# Altium PCB Copy of DIOT_SMA16_.PcbDoc (part 2 of 6) (continued)
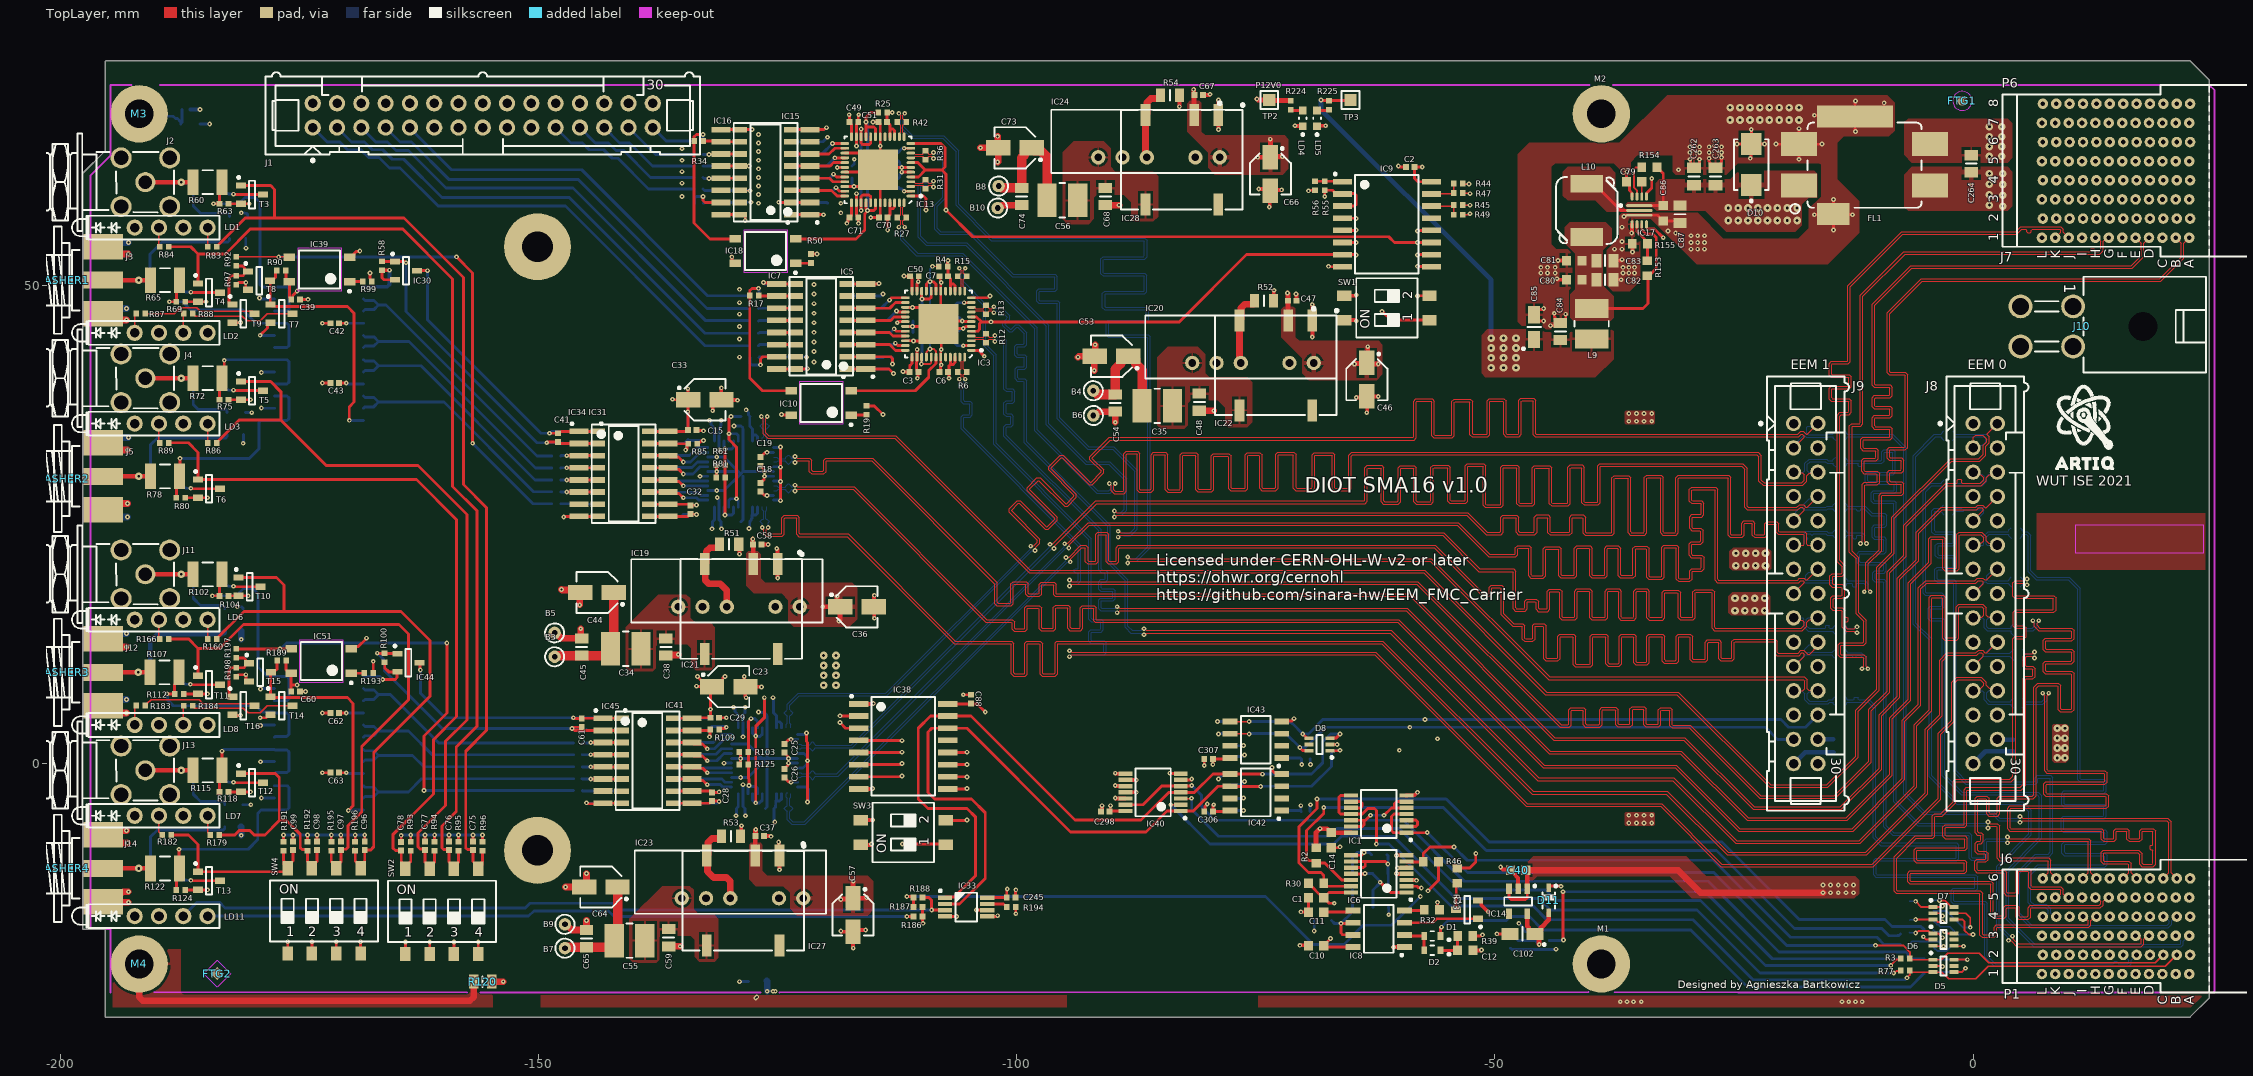
[diagram p0: TopLayer view]
## Part data (continued)
R153: library part R0603_38K3_0.1%_0.063W_10PPM, "Resistor - 0.1%", Case=0603, Manufacturer=GENERIC, Manufacturer1 ComponentHeight=0.5mm, Manufacturer1 Example="TYCO HOLSWORTHY", Manufacturer1 Part Number=RN73C1J38K3BTDF, Power=0.063W, Tolerance=±0.1%, Author="CERN DEM JLC", Component Type=Standard, CreateDate=03.12.2007, HelpURL=\\cern.ch\dfs\Applications\Altium\Datasheets\R0603_Tyco_RN73.pdf, LatestRevisionDate=13.03.2008, Manufacturer Part Number=R0603_38K3_0.1%_0.063W_10PPM, Mounted=Yes, Part Description="Thin Film Chip Resistor", Part Number=R0603_38K3_0.1%_0.063W_10PPM, Pin Count=2, PressFit=No, Sense=No, SMD=Yes, Socket=No, Status="Not Recommended", TC=±10ppm
R154: library part R0603_49K9_1%_0.1W_100PPM, "Resistor - 1%", Case=0603, Manufacturer=GENERIC, Manufacturer1 ComponentHeight=0.55mm, Manufacturer1 Example=VISHAY, Manufacturer1 Part Number=CRCW060349K9FKEA, Power=0.1W, Tolerance=±1%, Author="CERN DEM JLC", Component Type=Standard, CreateDate=16.11.2017, HelpURL="\\cern.ch\dfs\Applications\Altium\Datasheets\R0603_VISHAY_CRCW e3.pdf", LatestRevisionDate=16.11.2017, Manufacturer Part Number=R0603_49K9_1%_0.1W_100PPM, Mounted=Yes, Part Description="General Purpose Thick Film Chip Resistor", Part Number=R0603_49K9_1%_0.1W_100PPM, Pin Count=2, PressFit=No, Sense=No, SMD=Yes, Socket=No, Status=Preferred, TC=±100ppm/°C
R155: library part R0603_12K1_0.1%_0.063W_10PPM, "Resistor - 0.1%", Case=0603, Manufacturer=GENERIC, Manufacturer1 ComponentHeight=0.5mm, Manufacturer1 Example="TYCO HOLSWORTHY", Manufacturer1 Part Number=RN73C1J12K1BTDF, Power=0.063W, Tolerance=±0.1%, Author="CERN DEM JLC", Component Type=Standard, CreateDate=03.12.2007, HelpURL=\\cern.ch\dfs\Applications\Altium\Datasheets\R0603_Tyco_RN73.pdf, LatestRevisionDate=13.03.2008, Manufacturer Part Number=R0603_12K1_0.1%_0.063W_10PPM, Mounted=Yes, Part Description="Thin Film Chip Resistor", Part Number=R0603_12K1_0.1%_0.063W_10PPM, Pin Count=2, PressFit=No, Sense=No, SMD=Yes, Socket=No, Status="Not Recommended", TC=±10ppm
R186: library part R0402_1K6_1%_0.0625W_100PPM, "Resistor - 1%", Case=0402, Manufacturer=GENERIC, Manufacturer1 ComponentHeight=0.4mm, Manufacturer1 Example="YAGEO PHYCOMP", Manufacturer1 Part Number=232270671602L, Power=0.0625W, Tolerance=±1%, Author="CERN DEM JLC", Component Type=Standard, CreateDate=03.12.2007, HelpURL=\\cern.ch\dfs\Applications\Altium\Datasheets\R0402_Phycomp_RC0402.pdf, LatestRevisionDate=17.10.2012, Manufacturer Part Number=R0402_1K6_1%_0.0625W_100PPM, Mounted=Yes, Part Description="General Purpose Thick Film Chip Resistor", Part Number=R0402_1K6_1%_0.0625W_100PPM, Pin Count=2, PressFit=No, Sense=No, SMD=Yes, Socket=No, Status="Not Recommended", TC=±100ppm/°C
R225: library part R0402_1K_1%_0.0625W_100PPM, "Resistor - 1%", Case=0402, Manufacturer=GENERIC, Manufacturer1 ComponentHeight=0.4mm, Manufacturer1 Example="YAGEO PHYCOMP", Manufacturer1 Part Number=232270671002L, Power=0.0625W, Tolerance=±1%, Author="CERN DEM JLC", Component Type=Standard, CreateDate=03.12.2007, HelpURL=\\cern.ch\dfs\Applications\Altium\Datasheets\R0402_Phycomp_RC0402.pdf, LatestRevisionDate=17.10.2012, Manufacturer Part Number=R0402_1K_1%_0.0625W_100PPM, Mounted=Yes, Part Description="General Purpose Thick Film Chip Resistor", Part Number=R0402_1K_1%_0.0625W_100PPM, Pin Count=2, PressFit=No, Sense=No, SMD=Yes, Socket=No, Status="Not Recommended", TC=±100ppm/°C
SW1 SW3: library part SW_OMRON_A6S-2102-H, "2 Ways SPST DIP Switch", Manufacturer=OMRON, Manufacturer Part Number=A6S-2102-H, Author="CERN DEM JMW", Component Type=Standard, ComponentHeight=3.8mm, CreateDate=25.09.2008, Family=Switch, HelpURL=\\cern.ch\dfs\Applications\Altium\Datasheets\SW_OMRON_A6S-2102-H.pdf, LatestRevisionDate=25.09.2008, Mounted=Yes, PackageDescription="Pitch 2.54mm, Body 6.2x6.4mm, 2 Ways SPST Surface-Mounting DIP Switch, OMRON A6S-H", Part Description="2 Ways SPST DIP Switch, White Flat Actuator with Seal Tape, Contact Rating 25mA 24VDC", Part Number=SW_OMRON_A6S-2102-H, Pin Count=4, PressFit=No, Sense=No, SMD=Yes, Socket=No, Status=None
SW2 SW4: library part SW_OMRON_A6S-4102-H, "4 Ways SPST DIP Switch", Manufacturer=OMRON, Manufacturer Part Number=A6S-4102-H, Author="CERN DEM JMW", Component Type=Standard, ComponentHeight=3.8mm, CreateDate=25.09.2008, Family=Switch, HelpURL=\\cern.ch\dfs\Applications\Altium\Datasheets\SW_OMRON_A6S-4102-H.pdf, LatestRevisionDate=25.09.2008, Mounted=Yes, PackageDescription="Pitch 2.54mm, Body 11.3x6.4mm, 4 Ways SPST Surface-Mounting DIP Switch, OMRON A6S-H", Part Description="4 Ways SPST DIP Switch, White Flat Actuator with Seal Tape, Contact Rating 25mA 24VDC", Part Number=SW_OMRON_A6S-4102-H, Pin Count=8, PressFit=No, Sense=No, SMD=Yes, Socket=No, Status=None
T1 T2: "N-CHANNEL MOSFET WITH DIODE", Case=SOT23-3, Manufacturer="ON SEMICONDUCTOR", Manufacturer Part Number=BSS138L, Author="CERN DEM JLC", Bonding=No, Component Type=Standard, ComponentHeight=1.11mm, CreateDate=23.03.2009, Device=BSS138LT1G, HelpURL=\\cern.ch\dfs\Applications\Altium\Datasheets\BSS138LT1G.pdf, LatestRevisionDate=25.05.2022, Mounted=Yes, PackageDescription="SOT23, 0.95mm Pitch; 3 Pin, 1.40mm W X 3.00mm L X 1.10mm H body, IPC Medium Density", Part Description="50V, 200mA N-Channel Enhancement Mode Field-Effect Transistor", Part Number=BSS138LT1G, Pin Count=3, PressFit=No, Sense=No, SMD=Yes, Socket=No
T3 T4 T5 T6 T7 T8 T9 T10 T11 T12 T13 T14 T15 T16: "N-CHANNEL MOSFET WITH DIODE", Case=SOT23-3, Manufacturer="ON SEMICONDUCTOR", Author="CERN DEM JLC", Bonding=No, Component Type=Standard, ComponentHeight=1.11mm, CreateDate=23.03.2009, Device=BSS138LT1G, HelpURL=\\cern.ch\dfs\Applications\Altium\Datasheets\BSS138LT1G.pdf, LatestRevisionDate=23.03.2009, Manufacturer Part Number=BSS138LT1G, Mounted=Yes, PackageDescription="SOT23 3-Leads, Pitch 0.95mm - Body 1.4x3mm, IPC Medium Density", Part Description="50V 200mA N-Channel Enhancement Mode Field-Effect Transistor", Part Number=BSS138LT1G, Pin Count=3, PressFit=No, Sense=No, SMD=Yes, Socket=No
TP2 TP3: library part SMD_PAD_1.27X1.27MM, "Test Point", Author="CERN DEM JLC", Component Type="Standard (No BOM)", ComponentHeight=0mm, CreateDate=12.01.2008, Family="Test Point", HelpURL=Undefined, LatestRevisionDate=12.01.2008, Mounted=No, PackageDescription="1.27mm x 1.27mm PCB Copper Area (SMD Test Point)", Part Description="1.27mm x 1.27mm PCB Copper Area (SMD Test Point)", Part Number=SMD_PAD_1.27X1.27MM, Pin Count=1, Sense=No, SMD=Yes, Socket=No, Status=None
WASHER1 WASHER2 WASHER3 WASHER4 WASHER5 WASHER6 WASHER7 WASHER8: library part Keystone_7687, "SMA_Shoulder Washer", Manufacturer="Custom 3D", Author=GK, Component Type=Mechanical, ComponentHeight=1.91mm, CreateDate=28.01.2016, HelpURL=\\cern.ch\dfs\Applications\Altium\Datasheets\AAVID-THERMALLOY_7721-7PPSG.pdf, LatestRevisionDate=28.01.2016, Manufacturer Part Number="Custom 3D", Mounted=Yes, PackageDescription="Polyphenylene Sulfide PPS Shoulder Washer", Part Description="Polyphenylene Sulfide PPS Shoulder Washer", Part Number="Custom 3D", Pin Count=0, PressFit=No, Sense=No, SMD=No, Socket=No, Status=None

## Free pads (board coordinates)
  round 7 hole 3.2 paste-2539.97 mask+0.051: MHx(-150.123,-9.075) MHx1(-150.123,54.05)

## Via types
v1: diameter 0.5, hole 0.2, TopLayer to Bottom Layer, tented both sides, 731 vias
v2: diameter 0.8, hole 0.3, TopLayer to Bottom Layer, tented both sides, 100 vias

## Nets (pads, with @x,y where several pads share a name; then routed paths per layer and width w, separated by ;. In a path a pad name is that pad's centre, name@x,y a point inside that pad or via, vN(x,y) a via of type N, cw(c..) or ccw(c..) an arc to the next point about the centre after c; other vN are vias at no path point)
3V3: C80.2 C81.2 C82.2 C83.2 IC17.6 L9.1 L10.2 R153.2 | length 15.9
  TopLayer w0.3: L9.1@-39.9,47.6 -34.5,47.6 -34,48.1 -34,51.05 -33.75,51.3 -33.6,51.3 -33.132,51.768 -33.132,55.032 -33.5,55.4 -34.2,55.4 -34.65,55.85 IC17.6@-34.65,56.4
BGA0: D6.3 J6.C3 R130.2 | length 29.2
  TopLayer w0.2: D6.3@-4.2,-19.05 -4.15,-19.1 v1(-3.1,-19.1)
  MidLayer2 w0.15: v1(-3.1,-19.1) -2.47,-18.47 -0.447,-18.47 0.236,-19.153 4.947,-19.153 5.328,-18.772 11.114,-18.772 11.442,-19.1 18.696,-19.1 J6.C3@19.796,-18
  Bottom Layer w0.2: R130.2@-6.66,-18.9 -6.66,-18.88 -6.36,-18.58 -3.62,-18.58 v1(-3.1,-19.1)
BGA1: D6.1 J6.F3 R131.2 | length 23.5
  TopLayer w0.2: v1(-6,-17.7) -5.9,-17.7 -5.7,-17.5 -4.948,-17.5 -4.692,-17.5 -4.575,-17.617 -4.575,-17.65 -4.475,-17.75 D6.1@-4.2,-17.75 -4.165,-17.785 -3.615,-17.785 v1(-3.2,-18.2)
  Layer 1 w0.15: v1(-3.2,-18.2) -0.5,-18.2 0.454,-19.154 14.442,-19.154 J6.F3@15.596,-18
  Bottom Layer w0.15: R131.2@-6.66,-17.65 -6.61,-17.7 v1(-6,-17.7)
BGA2: D6.6 J6.I3 R136.2 | length 17.7
  TopLayer w0.2: v1(-3,-17.58) -2.919,-17.58 -2.749,-17.75 D6.6@-2,-17.75
  MidLayer2 w0.15: v1(-3,-17.58) -1.388,-17.58 -0.364,-16.556 6.492,-16.556 6.736,-16.8 8.264,-16.8 8.571,-17.107 10.503,-17.107 J6.I3@11.396,-18
  Bottom Layer w0.2: R136.2@-4.16,-17.4 -3.98,-17.58 v1(-3,-17.58)
BGA3: D7.4 J6.L3 R140.2 | length 15.5
  TopLayer w0.2: D7.4@-2,-16.3 -1.1,-16.3 -0.9,-16.5 -0.9,-17.4 -0.426,-17.874 v1(-0.001,-17.874)
  MidLayer2 w0.15: v1(-0.001,-17.874) 2.726,-17.874 3.13,-17.47 4.573,-17.47 5.103,-18 J6.L3@7.196,-18
  Bottom Layer w0.2: R140.2@-4.16,-16.4 -4.16,-16.42 -3.76,-16.82 -3.655,-16.82 -3.415,-17.06 -2.44,-17.06 -1.626,-17.874 v1(-0.001,-17.874)
BP_I2C.SCL: D5.3 IC1.8 IC1.11 J6.B2 R77.1 | length 102.5
  TopLayer w0.15: R77.1@-6.6,-21.65 -6.45,-21.8 D5.3@-4.2,-21.8 -3.251,-21.8 -2.551,-22.5 0.3,-22.5 1.602,-21.198 20.098,-21.198 J6.B2@21.296,-20
  TopLayer w0.2: v1(-6.9,-22.4) -6.6,-22.1 R77.1@-6.6,-21.65
  TopLayer w0.3: IC1.8@-65.05,-3.325 -66.124,-3.325 -66.3,-3.501 -66.3,-5.099 -66.124,-5.275 IC1.11@-65.05,-5.275 -63.875,-5.275 -63.3,-4.7 -62.6,-4.7 -62.4,-4.9 v1(-62.4,-8.4)
  Bottom Layer w0.3: v1(-62.4,-8.4) -61.093,-8.4 -60.413,-9.08 -60.085,-9.08 -59.78,-9.385 -59.78,-9.713 -54.593,-14.9 -46,-14.9 -44.576,-16.324 -29.276,-16.324 -23,-22.6 -7.154,-22.6 -6.954,-22.4 v1(-6.9,-22.4)
BP_I2C.SDA: D5.1 IC1.1 IC1.4 J6.C2 R3.1 | length 90.7
  TopLayer w0.15: R3.1@-6.5,-20.5 D5.1@-4.2,-20.5 -3.326,-20.5 -2.667,-19.841 0.641,-19.841 1.624,-20.824 19.072,-20.824 J6.C2@19.896,-20
  TopLayer w0.2: v1(-10.2,-19) -7.3,-19 -6.6,-19.7 R3.1@-6.6,-20.4
  TopLayer w0.3: IC1.4@-59.25,-5.275 -60.543,-5.275 -60.8,-5.532 -60.8,-7 -60.575,-7.225 IC1.1@-59.25,-7.225 -57.091,-7.225 v1(-57.075,-7.209)
  Bottom Layer w0.3: v1(-57.075,-7.209) -52.884,-11.4 -27.124,-11.4 -19.524,-19 v1(-10.2,-19)
BP_IO.LVDS_N0: J6.E3 R161.1 | length 80.3
  TopLayer w0.12: v1(4.133,-18.042) 4.191,-18.101 4.191,-18.352 4.7,-18.861 17.501,-18.861 17.564,-18.799 17.564,-18.365 17.198,-18 J6.E3@16.996,-18
  Bottom Layer w0.12: R161.1@-3.063,33.8 -3.293,34.03 -3.293,34.097 -3.363,34.167 -3.926,34.167 -5.985,32.109 -5.985,14.685 -4.34,13.04 -4.34,-1.263 -1.603,-4 5.2,-4 6.1,-4.9 6.1,-7.443 2.728,-10.816 2.728,-16.888 3.823,-17.984 4.074,-17.984 v1(4.133,-18.042)
BP_IO.LVDS_N1: J6.B3 R162.1 | length 81.9
  Bottom Layer w0.12: R162.1@-3.025,28.7 -3.255,28.93 -3.255,28.985 -3.325,29.055 -4.321,29.055 -4.946,28.43 -4.946,17.937 -4.875,17.867 -3.267,17.867 -2.992,17.592 -2.992,16.427 -3.218,16.201 -4.373,16.201 -4.443,16.131 -4.443,15.27 -4.373,15.2 -3.187,15.2 -2.961,14.974 -2.961,-1.151 -1.112,-3 6.815,-3 7.2,-3.385 7.2,-7.823 3.728,-11.295 3.728,-16.15 6.465,-18.887 21.667,-18.887 21.737,-18.817 21.737,-18.534 21.346,-18.142 21.346,-18 J6.B3@21.196,-18
BP_IO.LVDS_N2: J6.C4 R163.1 | length 82
  Bottom Layer w0.12: R163.1@-3.063,26.05 -3.293,26.28 -3.293,26.347 -3.363,26.417 -3.961,26.417 -4.031,26.347 -4.031,24.327 -3.961,24.257 -2.06,24.257 -1.834,24.031 -1.834,23 -2.06,22.774 -3.595,22.774 -3.666,22.704 -3.666,21.873 -3.595,21.803 -2.035,21.803 -1.809,21.577 -1.809,20.51 -2.035,20.284 -3.661,20.284 -3.731,20.214 -3.731,19.308 -3.661,19.237 -1.994,19.237 -1.769,19.012 -1.769,-0.759 -0.643,-1.885 6.412,-1.885 6.482,-1.814 6.482,-1.466 6.708,-1.24 8.13,-1.24 8.356,-1.466 8.356,-9.319 7.956,-9.719 6.621,-9.719 4.888,-11.453 4.888,-15.66 6.126,-16.898 20.288,-16.898 20.494,-16.692 20.494,-16.457 20.036,-16 J6.C4@19.896,-16
BP_IO.LVDS_N3: J6.L4 R164.1 | length 82.6
  Bottom Layer w0.12: R164.1@4.915,23.575 5.145,23.805 5.145,23.922 5.215,23.992 5.558,23.992 5.762,23.789 5.762,20.061 6.581,19.242 9.944,19.242 10.965,18.221 10.965,-1.676 11.191,-1.902 13.599,-1.902 13.669,-1.972 13.669,-2.777 13.599,-2.848 9.482,-2.848 9.256,-3.073 9.256,-4.301 9.482,-4.527 13.599,-4.527 13.669,-4.597 13.669,-5.411 13.599,-5.482 9.452,-5.482 9.226,-5.707 9.226,-6.969 9.452,-7.195 13.696,-7.195 13.766,-7.265 13.766,-8.109 13.696,-8.179 9.522,-8.179 9.296,-8.405 9.296,-9.39 9.522,-9.615 13.673,-9.615 13.743,-9.686 13.743,-10.484 13.673,-10.554 6.753,-10.554 5.79,-11.518 5.79,-14.538 6.247,-14.995 7.547,-14.995 7.864,-15.312 7.864,-15.635 7.498,-16 J6.L4@7.296,-16
BP_IO.LVDS_N4: J6.I4 R167.1 | length 80.6
  TopLayer w0.12: v1(5.625,18.696) 5.542,18.696 5.365,18.874 4.506,18.874 4.436,18.803 4.436,17.628 4.506,17.558 8.447,17.558 8.672,17.332 8.672,16.037 8.447,15.811 4.561,15.811 4.491,15.741 4.491,14.5 4.561,14.43 5.316,14.43 5.541,14.204 5.541,13.261 5.316,13.035 4.506,13.035 4.436,12.965 4.436,-1.409 3.967,-1.878 -1.76,-1.878 -1.83,-1.948 -1.83,-4.083 -3.247,-5.5 -3.919,-5.5 -3.989,-5.57 -3.989,-7.597 -4.215,-7.822 -5.952,-7.822 -8,-9.87 -8,-13.239 -7.93,-13.31 0.762,-13.31 0.987,-13.535 0.987,-17.831 1.058,-17.901 2.13,-17.901 2.2,-17.831 2.2,-17.091 2.429,-16.861 11.993,-16.861 12.064,-16.791 12.064,-16.451 11.613,-16 J6.I4@11.496,-16
  Bottom Layer w0.12: R167.1@4.94,18.475 5.17,18.705 5.17,18.842 5.195,18.868 5.402,18.868 5.573,18.696 v1(5.625,18.696)
BP_IO.LVDS_N5: J6.K5 R168.1 | length 80.6
  TopLayer w0.12: v1(6.246,14.95) 6.246,14.866 6.422,14.69 6.422,14.34 6.855,13.907 10.23,13.907 10.3,13.837 10.3,13.184 10.23,13.113 7.561,13.113 7.336,12.888 7.336,11.902 7.561,11.676 10.23,11.676 10.3,11.606 10.3,10.793 10.23,10.723 7.544,10.723 7.319,10.498 7.319,9.617 7.544,9.391 10.23,9.391 10.3,9.321 10.3,5.762 10.23,5.692 9.221,5.692 9.151,5.762 9.151,8.181 8.925,8.407 6.74,8.407 6.327,7.994 6.327,-3.27 6.19,-3.407 2.759,-3.407 2.533,-3.632 2.533,-5.152 2.463,-5.222 1.747,-5.222 1.676,-5.152 1.676,-3.632 1.451,-3.407 0.462,-3.407 0.236,-3.632 0.236,-7.254 0.462,-7.479 0.749,-7.479 0.82,-7.55 0.82,-8.026 0.749,-8.096 0.462,-8.096 0.236,-8.322 0.236,-9.191 0.462,-9.417 1.236,-9.417 1.306,-9.487 1.306,-9.936 1.236,-10.006 0.393,-10.006 0.167,-10.232 0.167,-11.173 0.393,-11.398 3.171,-11.398 3.241,-11.469 3.241,-13.566 3.466,-13.792 4.532,-13.792 4.758,-13.566 4.758,-11.311 4.828,-11.241 5.73,-11.241 5.8,-11.311 5.8,-12.902 6.026,-13.128 9.065,-13.128 9.164,-13.226 9.164,-13.635 8.798,-14 J6.K5@8.596,-14
  Bottom Layer w0.12: R168.1@5.165,14.6 5.395,14.37 5.395,14.213 5.465,14.142 6.172,14.142 6.424,14.394 6.424,14.69 6.246,14.867 v1(6.246,14.95)
BP_IO.LVDS_N6: J6.H5 R169.1 | length 81
  TopLayer w0.12: v1(6.429,11.056) 6.346,11.056 6.155,11.247 5.61,11.247 5.502,11.14 5.502,10.235 5.573,10.165 6.261,10.165 6.487,9.939 6.487,9.104 6.261,8.879 5.573,8.879 5.502,8.809 5.502,-2.274 5.017,-2.76 -0.595,-2.76 -0.665,-2.83 -0.665,-6.439 -0.891,-6.665 -2.821,-6.665 -2.891,-6.735 -2.891,-7.495 -2.821,-7.566 -0.838,-7.566 -0.613,-7.791 -0.613,-8.839 -0.838,-9.065 -5.826,-9.065 -5.896,-9.135 -5.896,-10.043 -5.826,-10.113 -0.891,-10.113 -0.665,-10.338 -0.665,-11.253 -0.891,-11.478 -6.515,-11.478 -6.585,-11.549 -6.585,-12.223 -6.515,-12.293 1.9,-12.293 2.126,-12.519 2.126,-15.841 2.196,-15.911 3.146,-15.911 3.216,-15.841 3.216,-15.042 3.442,-14.816 4.578,-14.816 4.804,-15.042 4.804,-15.93 4.874,-16 5.679,-16 5.749,-15.93 5.749,-15.057 5.975,-14.831 13.206,-14.831 13.364,-14.674 13.364,-14.365 12.998,-14 J6.H5@12.796,-14
  Bottom Layer w0.12: R169.1@5.19,10.8 5.395,11.005 5.395,11.177 5.465,11.248 5.875,11.248 5.889,11.234 6.168,11.234 6.346,11.056 v1(6.429,11.056)
BP_IO.LVDS_N7: J6.F6 R170.1 | length 81.4
  TopLayer w0.12: v1(7.289,7.366) 7.289,7.283 7.47,7.103 7.47,-0.769 7.695,-0.994 13.679,-0.994 13.749,-1.064 13.749,-1.833 13.679,-1.903 7.605,-1.903 7.38,-2.129 7.38,-3.179 7.605,-3.405 13.835,-3.405 13.905,-3.475 13.905,-4.349 13.835,-4.42 3.831,-4.42 3.606,-4.645 3.606,-6.831 3.831,-7.056 13.343,-7.056 13.413,-7.126 13.413,-7.909 13.639,-8.134 14.745,-8.134 14.971,-7.909 14.971,-7.144 15.041,-7.074 16.016,-7.074 16.087,-7.144 16.087,-7.909 16.312,-8.134 17.454,-8.134 17.68,-7.909 17.68,-7.136 17.75,-7.065 18.742,-7.065 18.813,-7.136 18.813,-8.458 18.742,-8.528 18.585,-8.528 18.515,-8.599 18.515,-8.95 18.585,-9.02 18.742,-9.02 18.813,-9.091 18.813,-10.43 18.742,-10.5 17.77,-10.5 17.7,-10.43 17.7,-9.418 17.317,-9.035 13.605,-9.035 13.38,-9.261 13.38,-10.24 13.605,-10.466 16.193,-10.466 16.264,-10.536 16.264,-11.433 J6.F6@15.696,-12
  Bottom Layer w0.12: R170.1@5.165,6.858 5.395,6.628 5.395,6.553 5.465,6.482 7.192,6.482 7.467,6.757 7.467,7.106 7.289,7.283 v1(7.289,7.366)
BP_IO.LVDS_N8: J6.C6 R171.1 | length 78.2
  TopLayer w0.12: v1(4.916,-6.138) 4.999,-6.138 5.177,-5.961 20.228,-5.961 20.464,-6.197 20.464,-11.433 J6.C6@19.896,-12
  Bottom Layer w0.12: R171.1@-13.433,33.8 -13.203,34.03 -13.203,34.097 -13.133,34.167 -8.504,34.167 -7.275,32.939 -7.275,-3.2 -5.166,-5.308 2.034,-5.308 2.687,-5.961 4.656,-5.961 4.834,-6.138 v1(4.916,-6.138)
BP_IO.LVDS_N9: J6.L6 R172.1 | length 76.1
  TopLayer w0.12: v1(1.554,-6.729) 1.637,-6.729 1.815,-6.551 2.438,-6.551 2.508,-6.622 2.508,-9.907 2.734,-10.133 7.788,-10.133 7.864,-10.208 7.864,-11.433 J6.L6@7.296,-12
  Bottom Layer w0.12: R172.1@-13.433,31.05 -13.203,31.28 -13.203,31.347 -13.133,31.417 -12.07,31.417 -12,31.347 -12,31.142 -11.93,31.071 -11.67,31.071 -11.6,31.142 -11.6,31.347 -11.53,31.417 -9.527,31.417 -9.302,31.643 -9.302,32.483 -9.232,32.553 -8.45,32.553 -8.379,32.483 -8.379,30.561 -8.45,30.491 -11.051,30.491 -11.277,30.265 -11.277,29.466 -11.051,29.241 -8.298,29.241 -8.227,29.171 -8.227,28.612 -8.298,28.541 -10.434,28.541 -10.66,28.316 -10.66,27.459 -10.434,27.234 -8.373,27.234 -8.303,27.163 -8.303,-3.972 -5.777,-6.497 1.275,-6.497 1.506,-6.729 v1(1.554,-6.729)
BP_IO.LVDS_N10: J6.I6 R173.1 | length 77
  TopLayer w0.12: v1(3.598,-8.283) 3.68,-8.283 3.858,-8.106 11.993,-8.106 12.064,-8.176 12.064,-11.433 J6.I6@11.496,-12
  Bottom Layer w0.12: R173.1@-13.433,26.3 -13.203,26.53 -13.203,26.597 -13.133,26.667 -12.259,26.667 -12.189,26.597 -12.189,26.499 -12.119,26.428 -11.84,26.428 -11.77,26.499 -11.77,26.618 -11.72,26.667 -11.388,26.667 -10.655,25.935 -9.37,25.935 -9.299,25.865 -9.299,25.03 -9.37,24.96 -10.339,24.96 -10.564,24.734 -10.564,23.67 -10.339,23.444 -9.391,23.444 -9.321,23.374 -9.321,22.265 -9.391,22.195 -11.889,22.195 -12.115,21.969 -12.115,21.025 -11.889,20.8 -9.421,20.8 -9.35,20.729 -9.35,20.263 -9.421,20.192 -10.259,20.192 -10.484,19.967 -10.484,19.228 -10.259,19.003 -9.421,19.003 -9.35,18.932 -9.35,-6.59 -8.426,-7.515 -0.494,-7.515 -0.424,-7.585 -0.424,-9.896 -0.198,-10.122 1.203,-10.122 1.429,-9.896 1.429,-8.18 1.499,-8.109 3.337,-8.109 3.511,-8.283 v1(3.598,-8.283)
BP_IO.LVDS_N11: J7.E1 R174.1 | length 77.7
  TopLayer w0.12: v1(-11.759,23.012) -11.759,23.094 -11.581,23.272 -11.581,29.203 -11.356,29.428 -10.114,29.428 -10.044,29.499 -10.044,30.262 -10.114,30.333 -11.439,30.333 -11.665,30.558 -11.665,31.717 -11.439,31.942 -10.234,31.942 -10.164,32.012 -10.164,32.662 -10.234,32.732 -11.539,32.732 -11.765,32.958 -11.765,33.899 -11.539,34.125 -8.77,34.125 -8.7,34.195 -8.7,34.917 -8.77,34.987 -10.337,34.987 -10.562,35.213 -10.562,36.188 -10.337,36.413 -8.77,36.413 -8.7,36.483 -8.7,37.03 -8.77,37.1 -10.312,37.1 -10.538,37.326 -10.538,38.277 -10.312,38.503 -8.77,38.503 -8.7,38.573 -8.7,39.264 -8.77,39.334 -10.325,39.334 -10.55,39.56 -10.55,48.057 -6.54,52.068 16.529,52.068 17.564,53.103 17.564,54.436 16.999,55 J7.E1@16.996,55
  Bottom Layer w0.12: R174.1@-13.433,23.55 -13.203,23.78 -13.203,23.822 -13.133,23.892 -12.643,23.892 -12.572,23.822 -12.572,23.608 -12.502,23.538 -12.251,23.538 -12.18,23.608 -12.18,23.822 -12.11,23.892 -11.721,23.892 -11.59,23.762 -11.59,23.272 -11.759,23.103 v1(-11.759,23.012)
BP_IO.LVDS_N12: J7.B1 R175.1 | length 78.5
  TopLayer w0.12: v1(-11.379,17.975) -11.379,18.058 -11.201,18.235 -11.201,21.007 -9.828,22.38 -9.828,28.08 -9.602,28.305 -7.573,28.305 -7.503,28.375 -7.503,29.15 -7.573,29.22 -8.74,29.22 -8.965,29.446 -8.965,30.465 -8.74,30.69 -7.566,30.69 -7.496,30.761 -7.496,31.636 -7.566,31.706 -8.746,31.706 -8.971,31.932 -8.971,32.862 -8.746,33.087 -7.186,33.087 -7.115,33.158 -7.115,40.572 -7.186,40.642 -8.759,40.642 -8.985,40.868 -8.985,47.156 -5.444,50.697 19.513,50.697 21.764,52.947 21.764,54.432 J7.B1@21.196,55
  Bottom Layer w0.12: R175.1@-13.433,18.5 -13.203,18.73 -13.203,18.797 -13.133,18.867 -12.67,18.867 -12.6,18.797 -12.6,18.553 -12.53,18.482 -12.239,18.482 -12.168,18.553 -12.168,18.797 -12.098,18.867 -11.41,18.867 -11.201,18.659 -11.201,18.235 -11.379,18.058 v1(-11.379,17.975)
BP_IO.LVDS_N13: J7.K1 R176.1 | length 77.9
  TopLayer w0.12: v1(-12.15,14.304) -12.233,14.304 -12.41,14.126 -13.17,14.126 -13.437,14.393 -13.437,14.778 -13.355,14.86 -13.148,14.86 -13.077,14.931 -13.077,15.257 -13.148,15.327 -13.366,15.327 -13.437,15.398 -13.437,16.036 -13.701,16.3 -14.542,16.3 -14.613,16.37 -14.613,17.211 -14.542,17.281 -13.662,17.281 -13.437,17.507 -13.437,18.506 -13.662,18.732 -14.63,18.732 -14.7,18.802 -14.7,19.542 -14.63,19.613 -13.662,19.613 -13.437,19.838 -13.437,20.717 -13.963,21.244 -13.963,36.345 -13.809,36.5 -12.961,36.5 -12.735,36.726 -12.735,37.939 -12.961,38.165 -14.725,38.165 -14.795,38.235 -14.795,39.13 -14.725,39.2 -12.961,39.2 -12.735,39.426 -12.735,40.439 -12.961,40.665 -14.708,40.665 -14.779,40.735 -14.779,41.721 -14.708,41.792 -13.073,41.792 -12.848,42.017 -12.848,49.877 -7.365,55.36 4.561,55.36 5.098,55.898 5.493,55.898 5.6,55.791 5.6,55.6 5.7,55.5 6,55.5 6.1,55.6 6.1,55.762 6.235,55.898 9.042,55.898 9.164,55.776 9.164,55.567 J7.K1@8.596,55
  Bottom Layer w0.12: R176.1@-13.433,14.5 -13.203,14.27 -13.203,14.203 -13.133,14.132 -12.853,14.132 -12.847,14.126 -12.41,14.126 -12.233,14.304 v1(-12.15,14.304)
BP_IO.LVDS_N14: J7.H1 R177.1 | length 78.5
  TopLayer w0.12: v1(-11.627,9.925) -11.627,10.008 -11.449,10.185 -11.449,11.043 -11.519,11.113 -13.876,11.113 -14.102,11.339 -14.102,12.438 -13.876,12.663 -11.519,12.663 -11.449,12.733 -11.449,14.864 -12.237,15.652 -12.237,21.43 -12.925,22.117 -12.925,35.339 -12.699,35.565 -11.87,35.565 -11.8,35.635 -11.8,48.975 -7.225,53.55 12.197,53.55 12.3,53.653 12.3,53.75 12.37,53.821 12.63,53.821 12.7,53.75 12.7,53.659 12.809,53.55 13.157,53.55 13.364,53.756 13.364,54.604 12.968,55 J7.H1@12.796,55
  Bottom Layer w0.12: R177.1@-13.433,10.95 -13.203,11.18 -13.203,11.272 -13.133,11.342 -12.685,11.342 -12.6,11.257 -12.6,11.17 -12.53,11.1 -12.27,11.1 -12.2,11.17 -12.2,11.256 -12.113,11.342 -11.79,11.342 -11.449,11.002 -11.449,10.185 -11.627,10.008 v1(-11.627,9.925)
BP_IO.LVDS_N15: J6.F2 R144.1 | length 79.4
  Bottom Layer w0.12: R144.1@-13.433,7.05 -13.203,6.82 -13.203,6.753 -13.133,6.682 -12.508,6.682 -12.437,6.753 -12.437,6.866 -12.367,6.936 -12.061,6.936 -11.991,6.866 -11.991,6.753 -11.921,6.682 -10.869,6.682 -10.166,5.979 -10.166,-7.66 -9.525,-8.3 -1.726,-8.3 -1.5,-8.526 -1.5,-9.939 -1.726,-10.165 -10.065,-10.165 -10.135,-10.235 -10.135,-11.53 -10.065,-11.6 0.239,-11.6 0.465,-11.826 0.465,-13.074 0.239,-13.3 -1.965,-13.3 -2.035,-13.37 -2.035,-14.33 -1.965,-14.4 1.277,-14.4 1.503,-14.626 1.503,-16.23 1.5,-16.233 1.5,-20.1 2.305,-20.905 14.674,-20.905 14.744,-20.834 14.744,-20.728 14.814,-20.658 15.042,-20.658 15.112,-20.728 15.112,-20.834 15.182,-20.905 16.174,-20.905 16.264,-20.815 16.264,-20.568 J6.F2@15.696,-20
BP_IO.LVDS_P0: J6.D3 R145.1 | length 81.6
  TopLayer w0.12: v1(3.694,-18.481) 3.753,-18.539 4.004,-18.539 4.591,-19.126 17.611,-19.126 17.829,-18.909 17.829,-18.365 18.194,-18 J6.D3@18.396,-18
  Bottom Layer w0.12: R145.1@-3.063,34.8 -3.293,34.57 -3.293,34.503 -3.363,34.432 -4.036,34.432 -6.25,32.218 -6.25,14.575 -4.605,12.93 -4.605,-1.373 -1.713,-4.265 5.09,-4.265 5.835,-5.01 5.835,-7.333 2.463,-10.706 2.463,-16.998 3.636,-18.171 3.636,-18.422 v1(3.694,-18.481)
BP_IO.LVDS_P1: J6.A3 R146.1 | length 83.3
  Bottom Layer w0.12: R146.1@-3.025,29.675 -3.255,29.445 -3.255,29.39 -3.325,29.32 -4.43,29.32 -5.211,28.54 -5.211,17.827 -4.985,17.602 -3.376,17.602 -3.257,17.483 -3.257,16.536 -3.328,16.466 -4.482,16.466 -4.708,16.24 -4.708,15.161 -4.482,14.935 -3.296,14.935 -3.226,14.865 -3.226,-1.26 -1.222,-3.265 6.706,-3.265 6.935,-3.494 6.935,-7.713 3.463,-11.185 3.463,-16.26 6.355,-19.152 21.777,-19.152 22.002,-18.927 22.002,-18.56 22.366,-18.197 22.366,-18 J6.A3@22.596,-18
BP_IO.LVDS_P2: J6.B4 R147.1 | length 83.3
  Bottom Layer w0.12: R147.1@-3.063,27.05 -3.293,26.82 -3.293,26.753 -3.363,26.682 -4.07,26.682 -4.296,26.457 -4.296,24.217 -4.07,23.992 -2.17,23.992 -2.099,23.921 -2.099,23.109 -2.17,23.039 -3.705,23.039 -3.931,22.814 -3.931,21.763 -3.705,21.538 -2.144,21.538 -2.074,21.467 -2.074,20.62 -2.144,20.549 -3.771,20.549 -3.996,20.324 -3.996,19.198 -3.771,18.972 -2.104,18.972 -2.034,18.902 -2.034,-0.869 -0.753,-2.15 6.522,-2.15 6.747,-1.924 6.747,-1.575 6.818,-1.505 8.021,-1.505 8.091,-1.575 8.091,-9.209 7.846,-9.454 6.512,-9.454 4.623,-11.343 4.623,-15.77 6.016,-17.163 20.398,-17.163 20.759,-16.802 20.759,-16.45 21.208,-16 J6.B4@21.296,-16
BP_IO.LVDS_P3: J6.K4 R148.1 | length 83.1
  Bottom Layer w0.12: R148.1@4.915,24.675 5.145,24.445 5.145,24.328 5.215,24.258 5.668,24.258 6.027,23.899 6.027,20.171 6.691,19.507 10.054,19.507 11.23,18.331 11.23,-1.566 11.301,-1.637 13.709,-1.637 13.934,-1.862 13.934,-2.887 13.709,-3.113 9.592,-3.113 9.521,-3.183 9.521,-4.191 9.592,-4.262 13.709,-4.262 13.934,-4.487 13.934,-5.521 13.709,-5.747 9.561,-5.747 9.491,-5.817 9.491,-6.859 9.561,-6.93 13.806,-6.93 14.031,-7.155 14.031,-8.219 13.806,-8.444 9.631,-8.444 9.561,-8.515 9.561,-9.28 9.631,-9.35 13.783,-9.35 14.008,-9.576 14.008,-10.594 13.783,-10.819 6.863,-10.819 6.055,-11.628 6.055,-14.428 6.357,-14.73 7.657,-14.73 8.129,-15.202 8.129,-15.635 8.494,-16 J6.K4@8.696,-16
BP_IO.LVDS_P4: J6.H4 R149.1 | length 81.9
  TopLayer w0.12: v1(5.625,19.316) 5.542,19.316 5.365,19.139 4.397,19.139 4.171,18.913 4.171,17.519 4.397,17.293 8.337,17.293 8.407,17.223 8.407,16.147 8.337,16.076 4.451,16.076 4.226,15.851 4.226,14.39 4.451,14.165 5.206,14.165 5.276,14.095 5.276,13.37 5.206,13.3 4.397,13.3 4.171,13.074 4.171,-1.299 3.857,-1.613 -1.869,-1.613 -2.095,-1.839 -2.095,-3.973 -3.357,-5.235 -4.029,-5.235 -4.254,-5.46 -4.254,-7.487 -4.325,-7.557 -6.062,-7.557 -8.265,-9.761 -8.265,-13.349 -8.039,-13.575 0.652,-13.575 0.722,-13.645 0.722,-17.94 0.948,-18.166 2.239,-18.166 2.465,-17.94 2.465,-17.2 2.539,-17.126 12.103,-17.126 12.329,-16.901 12.329,-16.451 12.779,-16 J6.H4@12.896,-16
  Bottom Layer w0.12: R149.1@4.94,19.525 5.17,19.295 5.17,19.163 5.201,19.133 5.365,19.133 5.548,19.316 v1(5.625,19.316)
BP_IO.LVDS_P5: J6.J5 R150.1 | length 81.1
  TopLayer w0.12: v1(6.866,14.95) 6.866,14.867 6.687,14.688 6.687,14.449 6.965,14.172 10.339,14.172 10.565,13.947 10.565,13.074 10.339,12.848 7.671,12.848 7.601,12.778 7.601,12.011 7.671,11.941 10.339,11.941 10.565,11.716 10.565,10.684 10.339,10.458 7.654,10.458 7.584,10.388 7.584,9.727 7.654,9.656 10.339,9.656 10.565,9.431 10.565,5.653 10.339,5.427 9.111,5.427 8.886,5.653 8.886,8.072 8.815,8.142 6.85,8.142 6.592,7.884 6.592,-3.38 6.3,-3.672 2.869,-3.672 2.798,-3.742 2.798,-5.262 2.573,-5.487 1.637,-5.487 1.411,-5.262 1.411,-3.742 1.341,-3.672 0.572,-3.672 0.501,-3.742 0.501,-7.144 0.572,-7.214 0.859,-7.214 1.085,-7.44 1.085,-8.136 0.859,-8.361 0.572,-8.361 0.501,-8.431 0.501,-9.081 0.572,-9.152 1.346,-9.152 1.571,-9.377 1.571,-10.046 1.346,-10.271 0.503,-10.271 0.432,-10.342 0.432,-11.063 0.503,-11.133 3.28,-11.133 3.506,-11.359 3.506,-13.457 3.576,-13.527 4.423,-13.527 4.493,-13.457 4.493,-11.201 4.718,-10.976 5.839,-10.976 6.065,-11.201 6.065,-12.792 6.135,-12.863 9.175,-12.863 9.429,-13.117 9.429,-13.635 9.794,-14 J6.J5@9.996,-14
  Bottom Layer w0.12: R150.1@5.165,13.42 5.395,13.65 5.395,13.807 5.465,13.877 6.282,13.877 6.689,14.284 6.689,14.69 6.866,14.867 v1(6.866,14.95)
BP_IO.LVDS_P6: J6.G5 R151.1 | length 82.3
  TopLayer w0.12: v1(6.429,11.676) 6.332,11.676 6.168,11.512 5.5,11.512 5.237,11.25 5.237,10.125 5.463,9.9 6.151,9.9 6.222,9.83 6.222,9.214 6.151,9.144 5.463,9.144 5.237,8.918 5.237,-2.165 4.907,-2.495 -0.705,-2.495 -0.93,-2.72 -0.93,-6.33 -1,-6.4 -2.931,-6.4 -3.156,-6.626 -3.156,-7.605 -2.931,-7.831 -0.948,-7.831 -0.878,-7.901 -0.878,-8.729 -0.948,-8.8 -5.936,-8.8 -6.161,-9.025 -6.161,-10.152 -5.936,-10.378 -1,-10.378 -0.93,-10.448 -0.93,-11.143 -1,-11.213 -6.624,-11.213 -6.85,-11.439 -6.85,-12.333 -6.624,-12.558 1.79,-12.558 1.861,-12.628 1.861,-15.95 2.086,-16.176 3.256,-16.176 3.481,-15.95 3.481,-15.152 3.552,-15.081 4.469,-15.081 4.539,-15.152 4.539,-16.039 4.764,-16.265 5.789,-16.265 6.014,-16.039 6.014,-15.166 6.085,-15.096 13.316,-15.096 13.629,-14.784 13.629,-14.365 13.994,-14 J6.G5@14.196,-14
  Bottom Layer w0.12: R151.1@5.165,11.95 5.395,11.72 5.395,11.583 5.465,11.513 5.985,11.513 5.999,11.499 6.168,11.499 6.346,11.676 v1(6.429,11.676)
BP_IO.LVDS_P7: J6.E6 R152.1 | length 81.4
  TopLayer w0.12: v1(7.909,7.366) 7.909,7.28 7.735,7.106 7.735,-0.659 7.805,-0.729 13.788,-0.729 14.014,-0.955 14.014,-1.943 13.788,-2.168 7.715,-2.168 7.645,-2.238 7.645,-3.07 7.715,-3.14 13.944,-3.14 14.17,-3.365 14.17,-4.459 13.944,-4.685 3.941,-4.685 3.871,-4.755 3.871,-6.721 3.941,-6.791 13.453,-6.791 13.678,-7.017 13.678,-7.799 13.748,-7.869 14.636,-7.869 14.706,-7.799 14.706,-7.034 14.931,-6.809 16.126,-6.809 16.352,-7.034 16.352,-7.799 16.422,-7.869 17.344,-7.869 17.415,-7.799 17.415,-7.026 17.64,-6.8 18.852,-6.8 19.078,-7.026 19.078,-10.539 18.852,-10.765 17.661,-10.765 17.435,-10.539 17.435,-9.528 17.207,-9.3 13.715,-9.3 13.645,-9.37 13.645,-10.13 13.715,-10.201 16.303,-10.201 16.529,-10.426 16.529,-11.433 J6.E6@17.096,-12
  Bottom Layer w0.12: R152.1@5.165,5.842 5.395,6.072 5.395,6.147 5.465,6.217 7.302,6.217 7.732,6.647 7.732,7.106 7.909,7.283 v1(7.909,7.366)
BP_IO.LVDS_P8: J6.B6 R57.1 | length 78.6
  TopLayer w0.12: v1(4.916,-5.518) 4.999,-5.518 5.177,-5.696 20.337,-5.696 20.729,-6.087 20.729,-11.433 J6.B6@21.296,-12
  Bottom Layer w0.12: R57.1@-13.433,34.8 -13.203,34.57 -13.203,34.503 -13.133,34.432 -8.394,34.432 -7.01,33.049 -7.01,-3.09 -5.057,-5.043 2.144,-5.043 2.796,-5.696 4.656,-5.696 4.834,-5.518 v1(4.916,-5.518)
BP_IO.LVDS_P9: J6.K6 R178.1 | length 76
  TopLayer w0.12: v1(1.554,-6.109) 1.637,-6.109 1.815,-6.286 2.548,-6.286 2.773,-6.512 2.773,-9.798 2.843,-9.868 7.898,-9.868 8.129,-10.099 8.129,-11.433 J6.K6@8.696,-12
  Bottom Layer w0.12: R178.1@-13.433,32.05 -13.203,31.82 -13.203,31.753 -13.133,31.682 -9.637,31.682 -9.567,31.753 -9.567,32.593 -9.341,32.818 -8.34,32.818 -8.114,32.593 -8.114,30.452 -8.34,30.226 -10.942,30.226 -11.012,30.156 -11.012,29.576 -10.942,29.506 -8.188,29.506 -7.962,29.28 -7.962,28.502 -8.188,28.276 -10.325,28.276 -10.395,28.206 -10.395,27.569 -10.325,27.499 -8.263,27.499 -8.038,27.273 -8.038,-3.862 -5.668,-6.232 1.328,-6.232 1.452,-6.109 v1(1.554,-6.109)